# Altium PCB PCB1.PcbDoc (continued)
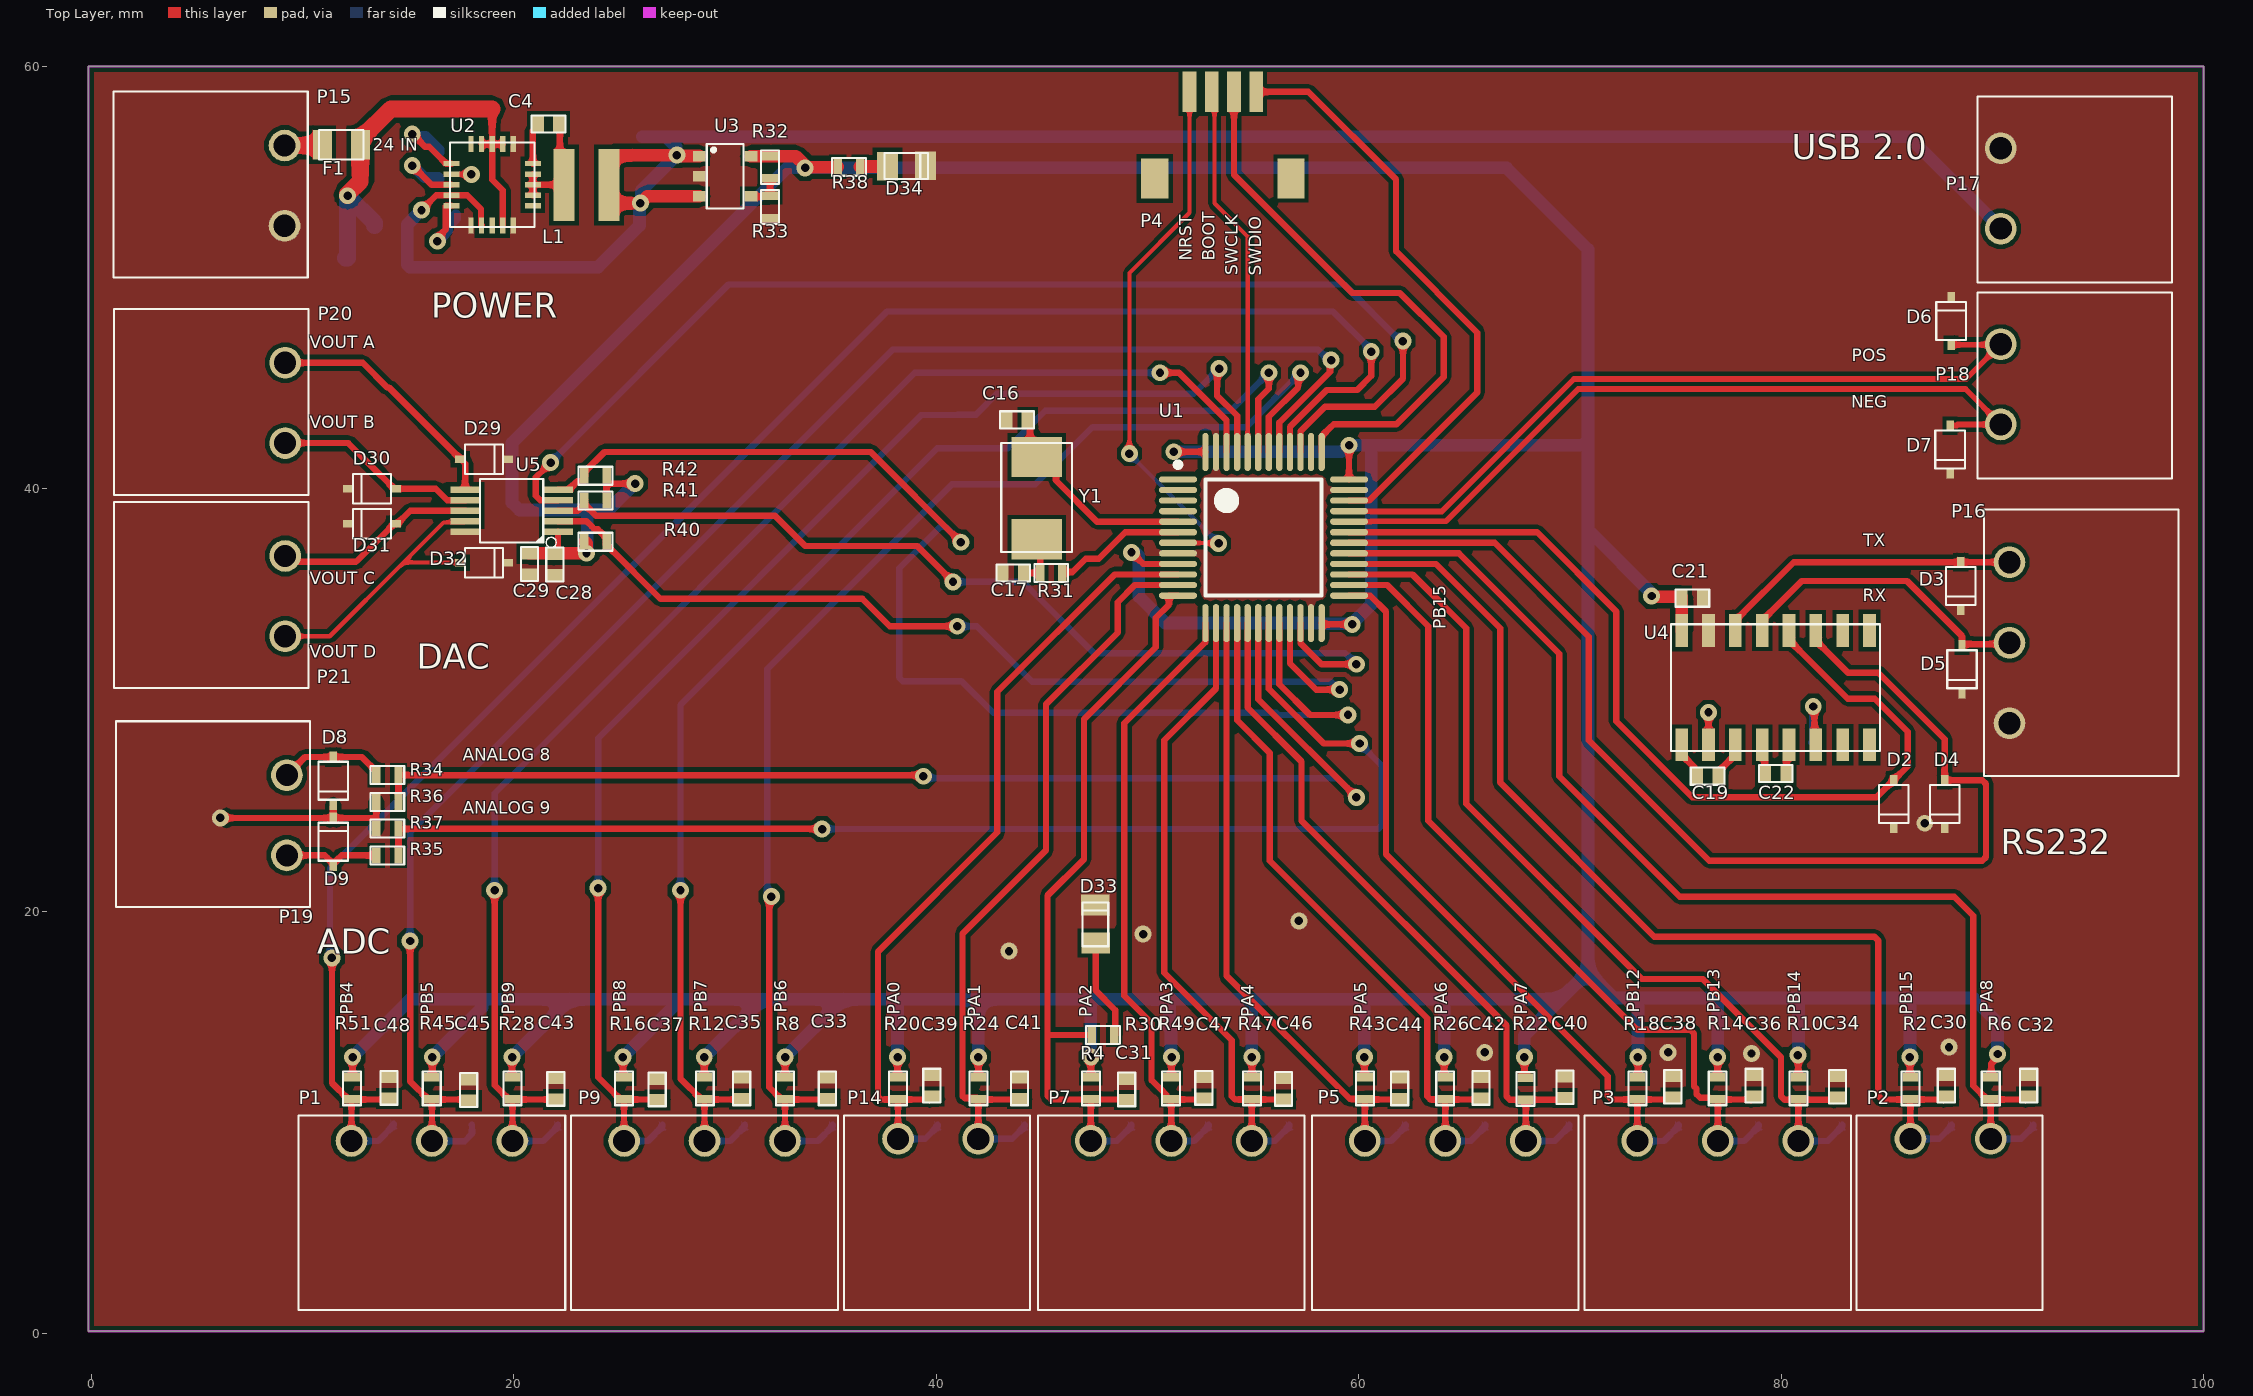
[diagram p0: Top Layer view]
## Components (designator, comment, footprint, x,y, rotation, side; value= is the part's Value field where it differs from the comment) (continued)
R47 "Resistor" "0603 RES"#2 54.525,12.425 r270 top value=10K
R48 "Resistor" "0603 RES"#1 54.525,10.825 r90 bottom value=10K
R49 "Resistor" "0603 RES"#2 50.7,12.425 r270 top value=10K
R50 "Resistor" "0603 RES"#1 50.7,10.825 r90 bottom value=10K
R51 "Resistor" "0603 RES"#2 11.925,12.425 r270 top value=10K
R52 "Resistor" "0603 RES"#1 11.925,10.825 r90 bottom value=10K
U1 "STM32F103C8T6" LQFP48_N 55.5,37.7 r0 top
U2 "MAX17634B" "20-PIN TQFN" 20.984,56.401 r180 top
U3 "ADP7118" "5-PIN TSOT" 29.14,56.327 r270 top
U4 "MAX3232" "16-PIN SOIC" 84.691,27.595 r90 top
U5 "MCP4728" "10-PIN MSOP" 21.403,37.467 r90 top
Y1 "XTAL" "ABM3 2PIN SMD" 43.083,42.169 r270 top value=8MHz

## Footprints (in the part's own frame and the unit in brackets; to place one, negate y for a bottom-side part, rotate by r counter-clockwise, add the part's x,y. Pads: shape width x height; smd on the part's side, far side on the other; paste and mask are expansions set on the pad)
"5-PIN TSOT" [mm] "5-PIN TSOT"
  rect 0.5x0.6 smd paste-2539.97 mask-2539.97: 1(0.575,-0.35) 2(1.525,-0.35) 3(2.475,-0.35) 4(2.475,2.1) 5(0.575,2.101)
  silkscreen extent 0,0 3.05,1.75, body extent 0.08,-0.53 2.98,2.27, height 0.85
"10-PIN MSOP" [mm] "10-PIN MSOP"
  rect 0.3x1.4 smd paste-2539.97 mask-2539.97: 1(0.5,-0.7) 2(1,-0.7) 3(1.5,-0.7) 4(2,-0.7) 5(2.5,-0.7) 6(2.5,3.7) 7(2,3.7) 8(1.5,3.7) 9(1,3.7) 10(0.5,3.7)
  silkscreen extent -0.24,-0.62 3,3, body extent 0,-0.95 3,3.95, height 1.15
"16-PIN SOIC" [mm] "16-Pin SOIC package general ICs"
  rect 1.55x0.6 smd paste-2539.97 mask-2539.97: 1(0.3,9.395) 2(0.3,8.125) 3(0.3,6.855) 4(0.3,5.585) 5(0.3,4.315) 6(0.3,3.045) 7(0.3,1.775) 8(0.3,0.505) 9(5.7,0.505) 10(5.7,1.775) 11(5.7,3.045) 12(5.7,4.315) 13(5.7,5.585) 14(5.7,6.855) 15(5.7,8.125) 16(5.7,9.395)
  silkscreen extent 0,0 6,9.9, body extent 0,0.2 6,9.7, height 1.26
"20-PIN TQFN" [mm] "4mm x 4mm QFN-20"
  rect 0.25x0.75 smd paste-2539.97 mask-2539.97: 1(1,0.075) 2(1.5,0.075) 3(2,0.075) 4(2.5,0.075) 5(3,0.075) 11(3,3.925) 12(2.5,3.925) 13(2,3.925) 14(1.5,3.925) 15(1,3.925)
  rect 0.75x0.25 smd paste-2539.97 mask-2539.97: 6(3.925,1) 7(3.925,1.5) 8(3.925,2) 9(3.925,2.5) 10(3.925,3) 16(0.075,3) 17(0.075,2.5) 18(0.075,2) 19(0.075,1.5) 20(0.075,1)
  silkscreen extent 0,0 4,4, body extent -0.01,-0.01 4.01,4.01, height 0.78
"0603 Cap"#1 [mm]
  rect 0.58x0.81 smd paste-2539.97 mask+0.102: 1(-0.509,-0.002) 2(0.509,0.002)
  silkscreen extent -0.8,-0.4 0.8,0.41, body extent -0.8,-0.4 0.8,0.4, height 0.45
"0603 Cap"#2 [mm]
  rect 0.58x0.81 smd paste-2539.97 mask-2539.97: 1(-0.509,-0.002) 2(0.509,0.002)
  silkscreen extent -0.8,-0.4 0.8,0.41, body extent -0.8,-0.4 0.8,0.4, height 0.45
"0603 RES"#1 [mm] "0603 resistor footprint"
  rect 0.4x0.75 smd paste-2539.97 mask+0.102: 1(0.275,0.425) 2(1.325,0.425)
  silkscreen extent 0,0 1.6,0.85, body extent 0,0 1.6,0.85, height 0.48
"0603 RES"#2 [mm] "0603 resistor footprint"
  rect 0.4x0.75 smd paste-2539.97 mask-2539.97: 1(0.275,0.425) 2(1.325,0.425)
  silkscreen extent 0,0 1.6,0.85, body extent 0,0 1.6,0.85, height 0.48
"0805 FUSE" [mm] "0805 Fuse"
  rect 0.9x1.4 smd paste-2539.97 mask-2539.97: 1(0.15,0.7) 2(1.95,0.7)
  silkscreen extent 0,0 2.1,1.4, body extent -0.1,-0.05 2.2,1.45, height 0.86
"0805 LED" [mm] "General 0805 Package LED"
  rect 1x1.35 smd paste-2539.97 mask-2539.97: 1(0.15,0.625) 2(1.95,0.65)
  silkscreen extent 0,0.03 2.07,1.25, body extent 0.02,0.19 2.08,1.1, height 0.85
"0805 TVS DIODE"#1 [mm] "SOD323"
  rect 0.5x0.35 smd paste-2539.97 mask+0.102: 1(-0.225,0.7) 2(2.025,0.7)
  silkscreen extent 0,0 1.8,1.4, body extent -0.4,0.03 2.2,1.38, height 1.1
"0805 TVS DIODE"#2 [mm] "SOD323"
  rect 0.5x0.35 smd paste-2539.97 mask-2539.97: 1(-0.225,0.7) 2(2.025,0.7)
  silkscreen extent 0,0 1.8,1.4, body extent -0.4,0.03 2.2,1.38, height 1.1
"0805 TVS DIODE"#3 [mm] "SOD323"
  rect 0.5x0.35 smd paste-2539.97 mask-2539.97: 1(-0.225,-0.7) 2(2.025,-0.7)
  silkscreen extent 0,-1.4 1.8,0, body extent -0.4,-1.38 2.2,-0.03, height 1.1
"ABM3 2PIN SMD" [mm]
  rect 1.9x2.4 smd paste-2539.97 mask-2539.97: 1(0.65,1.675) 2(4.55,1.675)
  silkscreen extent 0,0 5.15,3.35, body extent 0.05,0.08 5.05,3.27, height 1.3
LQFP48_N [mm]
  oval 1.8x0.3 smd paste-2539.97 mask-2539.97: 1(-4.05,2.75) 2(-4.05,2.25) 3(-4.05,1.75) 4(-4.05,1.25) 5(-4.05,0.75) 6(-4.05,0.25) 7(-4.05,-0.25) 8(-4.05,-0.75) 9(-4.05,-1.25) 10(-4.05,-1.75) 11(-4.05,-2.25) 12(-4.05,-2.75) 25(4.05,-2.75) 26(4.05,-2.25) 27(4.05,-1.75) 28(4.05,-1.25) 29(4.05,-0.75) 30(4.05,-0.25) 31(4.05,0.25) 32(4.05,0.75) 33(4.05,1.25) 34(4.05,1.75) 35(4.05,2.25) 36(4.05,2.75)
  oval 0.3x1.8 smd paste-2539.97 mask-2539.97: 13(-2.75,-4.05) 14(-2.25,-4.05) 15(-1.75,-4.05) 16(-1.25,-4.05) 17(-0.75,-4.05) 18(-0.25,-4.05) 19(0.25,-4.05) 20(0.75,-4.05) 21(1.25,-4.05) 22(1.75,-4.05) 23(2.25,-4.05) 24(2.75,-4.05) 37(2.75,4.05) 38(2.25,4.05) 39(1.75,4.05) 40(1.25,4.05) 41(0.75,4.05) 42(0.25,4.05) 43(-0.25,4.05) 44(-0.75,4.05) 45(-1.25,4.05) 46(-1.75,4.05) 47(-2.25,4.05) 48(-2.75,4.05)
  silkscreen extent -4.17,-2.75 2.75,3.57, body extent -4.5,-4.49 4.5,4.51, height 1.56
SM04B-SRSS-TB [mm] "SM04B-SRSS-TB"
  rect 0.65x1.9 smd paste-2539.97 mask-2539.97: 1(1.375,5.025) 2(2.425,5.025) 3(3.475,5.025) 4(4.525,5.025)
  rect 1.3x1.9 smd paste-2539.97 mask-2539.97: 5(-0.275,0.925) 6(6.175,0.925)
  body extent 0.03,0.38 6.02,5.32, height 3.25
"WR-TBL 322 2H" [mm] "322 series 2 pin header"
  round 1.5 / inner rect 0.25x0.7 / far side round 1.5 hole 1.05 paste-2539.97 mask-2539.97: 1(-1.9,3.4) 2(1.9,3.4)
  silkscreen extent -4.45,-4.7 4.35,4.5, body extent -4.41,-4.57 4.41,4.63, height 7.51
"WR-TBL 322 3H" [mm] "322 series WR-TBL package header 3 pin"
  round 1.5 / inner round 1.2 / far side round 1.5 hole 1.05 paste-2539.97 mask-2539.97: 1(-3.81,0) 2(0,0) 3(3.81,0)
  silkscreen extent -6.31,-1.2 6.31,8, body extent -6.31,-1.2 6.31,8, height 6.7
XAL6060 [mm] "XAL6060 power inductor"
  rect 1x3.4 smd paste-2539.97 mask-2539.97: 1(0.25,1.7) 2(2.37,1.7)
  body extent -0.82,-0.45 3.48,3.85, height 3

## Part data
C1 C2 C3 C4 C5 C6 C7 C8 C9 C10 C11 C12 C13 C14 C15 C16 C17 C18 C19 C20 C21 C22 C23 C28 C29 C30 C31 C32 C33 C34 C35 C36 C37 C38 C39 C40 C41 C42 C43 C44 C45 C46 C47 C48: library part "0603 Cap", "SMD 0603 (ceramic) capacitor", Capacitor Type=Ceramic, Case/Package=0805, Manufacturer=Murata, Manufacturer Part Number=GRM21BR71C225KA12L, Max Operating Temperature=125°C, Min Operating Temperature=-55°C, Package Shape=Rectangular, Package Style=SMTMeter, Rated DC Voltage (URdc)=16V, Supplier Part Number=81-GRM21BR71C225KA2L, Temperature Characteristics Code=X7R, Tolerance  (fill in as +-)=10%, Category="Ceramic Capacitors", ComponentLink1Description=https://datasheet.ciiva.com:443/pdfs/VipMasterIC/IC/MURE/MURE-S-A0004349797/MURE-S-A0004361718-1.pdf?src-supplier=IHS+Markit, ComponentLink1URL=https://datasheet.ciiva.com:443/pdfs/VipMasterIC/IC/MURE/MURE-S-A0004349797/MURE-S-A0004361718-1.pdf?src-supplier=IHS+Markit, ComponentLink2Description=https://datasheet.ciiva.com/7937/608985-7937701.pdf?src-supplier=Element14, ComponentLink2URL=https://datasheet.ciiva.com/7937/608985-7937701.pdf?src-supplier=Element14, Dielectric Material=Ceramic, Height=1.25mm, JESD-609 Code=e3, Length=2mm, Mounting Technology="Surface Mount", Multilayer=Yes, Packaging="Tape and Reel", Pins=2, Pricing="1=0,3, 10=0,163, 50=0,163, 100=0,098, 1000=0,07, 10000=0,054 (USD)", Reach SVHC Compliant=Yes, RoHS=Yes, RoHS Compliant=Yes, Stock=30148, Supplier=Mouser, Terminal Finish=Nickel, Termination=Wraparound, Tolerance (fill in as +-)=10%, Width=1.25mm
D1: library part "TVS Diode", "TVS Diode"
D2 D3 D4 D5 D6 D7 D8 D9 D10 D11 D12 D13 D14 D15 D16 D17 D18 D19 D20 D21 D22 D23 D24 D25 D26 D27 D28 D29 D30 D31 D32: library part "TVS Diode", "Schematic for TVS diode"
F1: "0805 Fuse"
L1: library part "Power Inductor", "XAL6060 preferred"
P1 P3 P5 P7 P9 P16: library part 322-3H, "322 Series 3 pin header"
P2 P14 P15 P17 P18 P19 P20 P21: library part 322-2H, "322 series 2 pin header"
P4: library part "4X HEADER"
R1 R2 R3 R4 R5 R6 R7 R8 R9 R10 R11 R12 R13 R14 R15 R16 R17 R18 R19 R20 R21 R22 R23 R24 R25 R26 R27 R28 R29 R30 R31 R32 R33 R34 R35 R36 R37 R38 R40 R41 R42 R43 R44 R45 R46 R47 R48 R49 R50 R51 R52: library part "0603 Res", "Can be used for SMD resistors"
U1: "STM32 ARM-based 32-bit MCU with 64 Kbytes Flash, 48-pin LQFP, Industrial Temperature", ComponentLink1Description="Manufacturer Link", ComponentLink1URL=www.st.com/stm32, ComponentLink2Description=Datasheet, ComponentLink2URL=http://www.st.com/stonline/products/literature/ds/13587.pdf, DatasheetVersion="rev6, Mar-2008", PackageDescription="48-Pin Low-Profile Quad Flat Pack, 7 x 7 mm Body, 0.5 mm Pitch (LQFP48)", PackageReference=LQFP48, PackageVersion=Mar-2008, Published=30-May-2008, Publisher="Altium Limited"
U2: library part "20-PIN TQFN", "20-PIN TSOT"
U3: library part "5-PIN TSOT", "Schematic for all 5 pin TSOT"
U4: library part "16-PIN SOIC", "16-Pin SOIC package IC schematic"
U5: library part "10-PIN MSOP"
Y1: "XTAL schematic. Footprint available for many packages"

## Via types
v1: diameter 0.8, hole 0.4, Top Layer to Bottom Layer, tented both sides, 72 vias

## Nets (pads, with @x,y where several pads share a name; then routed paths per layer and width w, separated by ;. In a path a pad name is that pad's centre, name@x,y a point inside that pad or via, vN(x,y) a via of type N, cw(c..) or ccw(c..) an arc to the next point about the centre after c; other vN are vias at no path point)
3V3: C8.1 C9.1 C10.1 C11.1 C12.1 C13.1 C14.2 C15.1 C21.1 C28.1 C29.1 R2.1 R4.1 R6.1 R8.1 R10.1 R12.1 R14.1 R16.1 R18.1 R20.1 R22.1 R24.1 R26.1 R28.1 R32.1 R38.1 R40.1 R41.1 R42.1 R43.1 R45.1 R47.1 R49.1 R51.1 U1.9 U1.24 U1.36 U1.48 U3.5 U4.16 U5.1 | length 325.4
  Top Layer w0.3: R51.1@12.323,12.15 12.375,12.202 v1(12.375,13.1) ; R45.1@16.133,12.15 16.15,12.167 v1(16.15,13.1) ; v1(19.925,13.1) 19.925,12.175 R28.1 ; C28.1 21.963,36.934 22.103,37.074 U5.1 ; R41.1 24.4,40.079 ; R42.1@24.4,40.375 24.4,40.079 ; v1(25.175,13.1) 25.175,12.2 R16.1 ; v1(25.75,40.25) 24.571,40.25 24.4,40.079 ; v1@29.025,13.225 v1(29.025,13.1) 29.025,12.175 R12.1 ; R8.1 v1(32.85,13.1) v1@32.85,13.2 ; v1@38.175,13.15 v1(38.175,13.1) 38.175,12.175 R20.1 ; R24.1 v1(42,13.1) v1@42,13.2 ; R4.1 v1(47.325,13.1) v1@47.325,13.125 ; v1(49.25,37) 49.8,36.45 U1.9 ; R49.1 51.137,12.163 51.137,13.087 v1(51.15,13.1) ; v1(51.252,41.759) 52.741,41.759 U1.48 ; R47.1 v1(54.95,13.1) v1@54.95,13.175 ; U1.24 58.25,33.637 58.296,33.591 v1(59.698,33.591) ; v1(59.548,42.066) 59.548,40.452 U1.36 ; v1@60.275,13.2 v1(60.275,13.1) 60.275,12.175 R43.1 ; v1@64.05,13.225 v1(64.05,13.1) 64.05,12.2 R26.1 ; v1@67.85,13.25 v1(67.85,13.1) 67.85,12.175 R22.1 ; R18.1 73.225,12.175 v1(73.225,13.1) v1@73.225,13.15 ; R14.1 v1(77,13.1) ; v1(80.8,13.2) 80.813,13.187 80.813,12.163 R10.1 ; v1@86.1,13.175 v1(86.1,13.1) 86.1,12.175 R2.1 ; R6.1 89.925,12.225 89.95,12.25 89.95,12.788 90.25,13.088 v1(90.25,13.25)
  Top Layer w0.6: C29.1 21.828,36.959 21.853,36.934 C28.1 ; C28.1@21.969,36.954 v1(23.45,36.954) 23.45,37.425 R40.1@23.375,37.5 ; U3.5 R32.1@32.14,55.752 ; R32.1@32.215,55.751 33.356,55.751 33.762,55.345 33.762,55.238 v1(33.8,55.2) 33.825,55.225 35.325,55.225 R38.1 ; v1(73.872,34.931) 73.91,34.893 75.281,34.893 75.291,34.883 C21.1 ; U4.16 C21.1@75.296,34.718
  Bottom Layer w0.6: v1(12.375,13.1) 15.118,15.843 18.5,15.843 ; v1(16.15,13.1) 18.5,15.45 18.5,15.843 ; v1(19.925,13.1) 22.668,15.843 ; v1@23.488,36.992 23.488,39 ; v1(25.175,13.1) 27.6,15.525 27.6,15.843 ; v1(25.75,40.25) 24.5,39 23.488,39 ; v1(29.025,13.1) 31.768,15.843 ; v1(32.85,13.1) 35.593,15.843 ; v1(38.175,13.1) 38.175,15.818 38.2,15.843 ; v1(42,13.1) 42,15.843 ; v1(47.325,13.1) 47.325,15.818 47.3,15.843 ; v1(49.25,37) 49.288,36.962 49.463,36.962 49.597,36.827 C15.1 49.597,34.903 50.85,33.65 58.25,33.65 58.279,33.621 v1@59.669,33.621 ; v1(51.15,13.1) 51.123,13.127 51.123,14.4 51.05,14.473 51.05,15.693 50.9,15.843 ; v1(51.252,41.759) 51.256,41.755 59.183,41.755 59.494,42.066 v1(59.548,42.066) 60.6,42.066 ; v1(54.95,13.1) 54.95,15.693 55.1,15.843 ; v1(59.698,33.591) 59.698,33.626 60.6,34.528 60.6,42.066 ; v1(60.275,13.1) 60.275,15.818 60.3,15.843 ; v1(64.05,13.1) 64.05,15.793 64.1,15.843 ; v1(67.85,13.1) 67.85,14.135 69.557,15.843 ; v1(73.225,13.1) 73.225,15.875 73.2,15.9 ; v1@73.997,34.931 70.857,38.071 ; v1(77,13.1) 77,15.8 77.1,15.9 ; v1(80.8,13.2) 80.825,13.225 80.825,15.875 80.8,15.9 ; v1(86.1,13.1) 86.1,15.8 86.2,15.9 ; v1(90.25,13.25) 90.25,14.75 89.1,15.9 86.2,15.9 ; 18.5,15.843 22.668,15.843 ; 22.668,15.843 27.6,15.843 ; 23.488,39 20.276,39 19.925,39.351 19.925,42.175 32.95,55.2 v1(33.8,55.2) 67,55.2 70.857,51.343 70.857,42.309 ; 27.6,15.843 31.768,15.843 ; 31.768,15.843 35.593,15.843 ; 35.593,15.843 38.2,15.843 ; 38.2,15.843 42,15.843 ; 42,15.843 47.3,15.843 ; 47.3,15.843 50.9,15.843 ; 50.9,15.843 55.1,15.843 ; 55.1,15.843 60.3,15.843 ; 60.3,15.843 64.1,15.843 ; 60.6,42.066 70.615,42.066 70.857,42.309 ; 64.1,15.843 69.557,15.843 ; 69.557,15.843 70.857,17.143 ; 70.857,17.143 72.1,15.9 73.2,15.9 ; 70.857,17.143 70.857,38.071 ; 70.857,38.071 70.857,42.309 ; 73.2,15.9 77.1,15.9 ; 77.1,15.9 80.8,15.9 ; 80.8,15.9 86.2,15.9
"5V OUT": C6.1 C7.1 C18.1 L1.1 P17.1 U2.9 U2.12 U3.1 U3.3 | length 100.4
  Top Layer w0.3: v1(15.64,53.202) 16.339,53.901 U2.9 17.801,53.901 18.459,53.242 18.459,52.501 U2.12
  Top Layer w0.6: U3.3 26.325,53.852 v1(26,53.527) 24.863,53.527 24.513,53.877 24.513,55.593 24.713,55.793 27.718,55.793 v1(27.725,55.8) 27.763,55.762 28.78,55.762 U3.1
  Bottom Layer w0.6: v1(15.64,53.202) 14.965,52.527 14.965,50.619 15.082,50.502 24.002,50.502 25.962,52.462 25.962,53.489 v1(26,53.527) 26.039,53.565 26.039,54.114 v1(27.725,55.8) ; C7.1 C6.1 C6.1@27.218,56.666 ; 27.687,56.198 C6.1@27.218,56.666 ; P17.1 86.061,56.666 C18.1 C6.1@27.218,56.666
"24V IN": C1.1 C2.2 D1.2 F1.2 U2.2 U2.3 U2.4 U2.14 | length 21.5
  Top Layer w0.3: U2.4 U2.3 ; 18.984,57.991 U2.3 ; U2.14 19.484,54.138 18.984,54.638 U2.3 ; U2.2 U2.3
  Top Layer w0.8: v1(12.14,53.877) 12.14,53.961 12.741,54.563 F1.2 12.741,56.548 14.184,57.991 18.984,57.991
  Bottom Layer w0.8: C2.2 12.135,50.923 12.14,50.928 v1(12.14,53.877) 13.415,52.602 D1.2
+24V: F1.1 P15.1 | length 1.9
  Top Layer w0.8: P15.1 10.773,56.257 F1.1@10.941,56.425
_BSY: R42.2 U1.20 U5.5 | length 59.5
  Top Layer w0.3: U5.5 22.653,39.967 22.703,40.017 22.703,40.051 23.014,40.362 23.337,40.362 R42.2@23.35,40.375 ; R42.2 23.35,40.8 24.3,41.75 36.9,41.75 v1(41.175,37.475) ; U1.20 56.25,30.75 57.7,29.3 v1(59.5,29.3)
  Bottom Layer w0.3: v1(41.175,37.475) 40.45,38.2 40.2,38.2 38.25,36.25 38.25,31.076 38.426,30.9 41.2,30.9 42.7,29.4 56.099,29.4 56.199,29.3 v1(59.5,29.3)
_LDAC: U1.39 U5.4 | length 56.6
  Top Layer w0.3: v1(21.75,41.25) 21.053,40.553 21.053,39.672 21.258,39.467 U5.4 ; U1.39 57.25,42.727 58.408,43.885 60.76,43.885 62.1,45.225 v1(62.1,47)
  Bottom Layer w0.3: v1(21.75,41.25) 30.175,49.675 59.308,49.675 61.983,47 v1(62.1,47)
ADC12_IN8: R34.1 R36.1 U1.18 | length 57.2
  Top Layer w0.3: R36.1 R34.1 39.349,26.451 v1(39.4,26.4) ; U1.18 55.25,30.05 v1(59.9,25.4)
  Bottom Layer w0.3: v1(39.4,26.4) 39.495,26.305 58.995,26.305 v1(59.9,25.4)
ADC12_IN9: R35.1 R37.1 U1.19 | length 60.7
  Top Layer w0.3: R35.1 R37.1 14.559,23.909 34.591,23.909 v1(34.6,23.9) ; U1.19 55.75,30.543 58.343,27.95 v1(60.05,27.95)
  Bottom Layer w0.3: v1(34.6,23.9) 60.924,23.9 61.1,24.076 61.1,26.9 v1(60.05,27.95)
ANALOG8: D8.2 P19.1 R34.2 | length 5
  Top Layer w0.3: P19.1 10.126,27.309 D8.2 12.817,27.309 13.5,26.626 R34.2
ANALOG9: D9.2 P19.2 R35.2 | length 4.6
  Top Layer w0.3: P19.2 11.054,22.651 D9.2@11.456,22.249 ; D9.2 D9.2@11.456,22.249 ; R35.2 11.858,22.651 D9.2@11.456,22.249
BOOT: P4.2 U1.44 | length 17.8
  Top Layer w0.2: P4.2 53.175,58.675 53.175,53.525 54.75,51.95 U1.44
C1+: C19.1 U4.1 | length 1.8
  Top Layer w0.3: U4.1 75.296,27.42 75.925,26.792 75.925,26.525 C19.1@76.025,26.425
C1-: C19.2 U4.3 | length 1.8
  Top Layer w0.3: C19.2@77.075,26.425 77.175,26.525 77.175,26.759 77.836,27.42 U4.3
C2+: C22.1 U4.4 | length 1.5
  Top Layer w0.3: U4.4 79.232,27.769 C22.1@79.232,26.497
C2-: C22.2 U4.5 | length 1.4
  Top Layer w0.3: C22.2@80.25,26.5 80.25,27.769 U4.5
GND: C1.2 C2.1 C3.2 C5.2 C6.2 C7.2 C8.2 C9.2 C10.2 C11.2 C12.2 C13.2 C14.1 C15.2 C16.2 C17.2 C18.2 C20.2 C21.2 C23.2 C28.2 C29.2 C30.2 C31.2 C32.2 C33.2 C34.2 C35.2 C36.2 C37.2 C38.2 C39.2 C40.2 C41.2 C42.2 C43.2 C44.2 C45.2 C46.2 C47.2 C48.2 D1.1 D2.1 D3.1 D4.1 D5.1 D6.1 D7.1 D8.1 D9.1 D10.1 D11.1 D12.1 D13.1 D14.1 D15.1 D16.1 D17.1 D18.1 D19.1 D20.1 D21.1 D22.1 D23.1 D24.1 D25.1 D26.1 D27.1 D28.1 D29.1 D30.1 D31.1 D32.1 D33.2 D34.2 P15.2 P16.3 P17.2 R1.2 R3.2 R5.2 R7.2 R9.2 R11.2 R13.2 R15.2 R17.2 R19.2 R21.2 R23.2 R25.2 R27.2 R29.2 R33.1 R36.2 R37.2 R44.2 R46.2 R48.2 R50.2 R52.2 U1.8 U1.23 U1.35 U1.47 U2.1 U2.7 U2.11 U2.15 U3.2 U4.15 U5.10 | length 10.3
  Top Layer w0.2: U2.7 17.065,54.895 17.991,54.895 v1(17.997,54.89)
  Top Layer w0.3: v1(6.122,24.424) D9.1 ; D8.1 D9.1 ; R37.2 13.5,24.551 ; R36.2 13.5,24.551 ; D9.1 13.373,24.424 13.5,24.551
  other v1: 78.6,13.275 65.975,13.325 74.65,13.325 87.95,13.575 43.45,18.125 49.8,18.925 57.175,19.55 86.8,24.175
HSE_IN/OUT: C16.1 U1.5 Y1.1 | length 10
  Top Layer w0.3: C16.1@44.45,43.3 44.45,41.828 Y1.1 44.831,41.519 45.681,40.669 45.681,40.387 47.617,38.45 U1.5
HSE_OUT/IN: R31.2 U1.6 | length 6.3
  Top Layer w0.3: R31.2 46.011,36.061 46.449,36.061 47.088,36.7 47.7,36.7 48.95,37.95 U1.6
LX: C4.1 L1.2 U2.17 U2.18 U2.19 | length 5.6
  Top Layer w0.3: U2.17 U2.18 ; U2.19 U2.18 ; C4.1@22.19,57.352 22.19,54.596 L1.2@22.385,54.401 ; L1.2@22.441,54.44 L1.2 L1.2@22.385,54.401 ; U2.18 L1.2@22.385,54.401
NetC3_1: C3.1 U2.8 | length 3.8
  Top Layer w0.3: v1(15.201,55.31) 16.11,54.401 U2.8
  Bottom Layer w0.5: v1(15.201,55.31) 15.215,55.31 15.781,54.743 16.43,54.743 16.47,54.703 C3.1
NetC4_2: C4.2 U2.20 | length 2
  Top Layer w0.3: U2.20 20.909,56.951 21.085,57.127 21.09,57.127 21.14,57.177 C4.2@21.14,57.352
NetC5_1: C5.1 U2.6 | length 4.1
  Top Layer w0.3: v1(15.201,56.8) 15.803,56.198 16.013,56.198 16.809,55.401 U2.6
  Bottom Layer w0.5: v1(15.201,56.8) 15.297,56.704 15.827,56.704 16.47,56.062 C5.1
NetC17_1: C17.1 R31.1 Y1.2 | length 2.5
  Top Layer w0.3: C17.1@44.1,36.025 R31.1 44.925,36.452 44.925,37.453 Y1.2
NetD33_1: D33.1 R30.2 | length 4.7
  Top Layer w0.3: D33.1 47.55,16.255 48.475,15.33 R30.2@48.475,14.15
NetD34_1: D34.1 R38.2 | length 1.3
  Top Layer w0.6: R38.2 36.413,55.263 37.687,55.263 D34.1
NetR1_1: R1.1 U2.10 | length 3.7
  Top Layer w0.3: v1(16.39,51.727) 16.39,51.889 16.784,52.284 16.784,53.376 16.809,53.401 U2.10
  Bottom Layer w0.5: v1(16.39,51.727) 16.885,52.222 16.885,52.436 17.254,52.805 R1.1
NRST: P4.1 U1.7 | length 26.2
  Top Layer w0.2: v1(49.15,41.675) 49.15,50.225 52,53.075 P4.1 ; U1.7 51.463,37.437 53.363,37.437 v1(53.375,37.425)
  Bottom Layer w0.2: v1(49.15,41.675) 49.15,41.662 53.375,37.437 v1(53.375,37.425)
PA0: C39.1 D19.2 P14.1 R20.2 R21.1 U1.10 | length 41.2
  Top Layer w0.3: P14.1 R20.2@38.198,11.098 ; C39.1@40.075,11.1 37.367,11.1 37.25,11.217 37.25,18.092 42.9,23.742 42.9,30.4 48.45,35.95 50.7,35.95 U1.10
  Bottom Layer w0.3: R21.1 38.198,11.098 P14.1 39.484,9.234 40.075,9.825 D19.2
PA1: C41.1 D21.2 P14.2 R24.2 R25.1 U1.11 | length 38.9
  Top Layer w0.3: P14.2 41.998,11.098 R24.2 ; C41.1@44.2,11.1 R24.2 ; U1.11 49.409,35.45 48.6,34.641 48.6,33.2 45.2,29.8 45.2,22.9 41.25,18.95 41.25,11.25 41.325,11.175 41.925,11.175 R24.2
  Bottom Layer w0.3: R25.1 41.998,11.098 P14.2 43.609,9.234 44.2,9.825 D21.2
PA2: C31.1 D11.2 P7.3 R4.2 R5.1 R30.1 U1.12 | length 38.8
  Top Layer w0.3: P7.3 R4.2@47.323,11.098 ; R30.1 45.276,14.15 ; C31.1@49.25,11.1 R4.2 45.451,11.1 45.276,11.276 45.276,14.15 ; U1.12 51.026,34.95 51.026,34.526 50.4,33.9 50.4,32.5 47,29.1 47,22.475 45.276,20.751 45.276,14.15
  Bottom Layer w0.3: R5.1 47.323,11.098 P7.3 48.559,9.134 49.25,9.825 D11.2
PA3: C47.1 D27.2 P7.2 R49.2 R50.1 U1.13 | length 33
  Top Layer w0.3: P7.2 51.133,11.092 R49.2 ; U1.13 52.75,32.75 48.9,28.9 48.9,16 50.2,14.7 50.2,12.005 50.605,11.6 50.625,11.6 50.9,11.325 50.9,11.15 50.95,11.1 R49.2 ; C47.1@52.9,11.1 R49.2
  Bottom Layer w0.3: R50.1 51.133,11.092 P7.2 52.209,9.134 52.9,9.825 D27.2
PA4: C46.1 D26.2 P7.1 R47.2 R48.1 U1.14 | length 33.6
  Top Layer w0.3: U1.14 53.25,30.55 50.8,28.1 50.8,17.1 54,13.9 54,11.25 54.15,11.1 R47.2 ; P7.1 54.943,11.093 R47.2 ; C46.1@56.725,11.1 R47.2
  Bottom Layer w0.3: R48.1 54.943,11.093 P7.1 56.034,9.134 56.725,9.825 D26.2
PA5: C44.1 D25.2 P5.3 R43.2 R44.1 U1.15 | length 33.8
  Top Layer w0.3: U1.15 53.75,32.9 53.75,16.95 59.575,11.125 60.275,11.125 R43.2 ; P5.3 60.298,11.098 R43.2 ; C44.1@62.225,11.1 R43.2
  Bottom Layer w0.3: R44.1 60.298,11.098 P5.3 61.534,9.134 62.225,9.825 D25.2
PA6: C42.1 D22.2 P5.2 R26.2 R27.1 U1.16 | length 35.1
  Top Layer w0.3: U1.16 54.25,32.9 54.25,32.197 54.25,29.05 55.8,27.5 55.8,22.4 63.25,14.95 63.25,11.25 63.4,11.1 R26.2 ; P5.2 64.108,11.092 R26.2 ; C42.1@66,11.1 R26.2
  Bottom Layer w0.3: R27.1 64.108,11.092 P5.2 65.309,9.134 66,9.825 D22.2
PA7: C40.1 D20.2 P5.1 R22.2 R23.1 U1.17 | length 36.8
  Top Layer w0.3: U1.17 54.75,31.99 54.75,29.65 57.3,27.1 57.3,24.3 67,14.6 67,11.25 67.162,11.088 69.963,11.088 C40.1@69.975,11.1 ; R22.2 67.918,11.057 P5.1
  Bottom Layer w0.3: R23.1 67.918,11.057 P5.1 69.284,9.134 69.975,9.825 D20.2
PA8: C32.1 D12.2 P2.2 R6.2 R7.1 U1.29 | length 57.3
  Top Layer w0.3: U1.29 64.75,36.95 69.5,32.2 69.5,26.4 75.2,20.7 88.2,20.7 89.1,19.8 89.1,11.75 89.7,11.15 89.875,11.15 R6.2 C32.1@91.95,11.1 ; P2.2 R6.2@89.923,11.098
  Bottom Layer w0.3: R7.1 89.923,11.098 P2.2 91.359,9.234 91.95,9.825 D12.2
PB4: C48.1 D28.2 P1.3 R51.2 R52.1 U1.40 | length 88
  Top Layer w0.3: v1(11.4,17.8) 11.4,11.875 12.175,11.1 R51.2@12.323,11.1 ; P1.3 R51.2@12.323,11.1 ; C48.1@14.3,11.1 R51.2 R51.2@12.323,11.1 ; U1.40 56.75,42.934 58.499,44.684 59.934,44.684 60.6,45.35 v1(60.6,46.5)
  Bottom Layer w0.3: v1(11.4,17.8) 11.304,17.896 11.304,22.029 37.675,48.4 58.783,48.4 60.6,46.583 v1(60.6,46.5) ; R52.1 12.323,11.1 P1.3 13.584,9.134 14.325,9.875 D28.2
PB5: C45.1 D24.2 P1.2 R45.2 R46.1 U1.41 | length 80.1
  Top Layer w0.3: v1(15.1,18.6) 15.1,11.95 15.95,11.1 R45.2 ; P1.2 16.133,11.1 C45.1@18.025,11.1 ; U1.41 56.25,43.141 58.653,45.545 58.653,46.053 v1(58.7,46.1)
  Bottom Layer w0.3: v1(15.1,18.6) 15.1,23.75 37.95,46.6 58.071,46.6 58.571,46.1 v1(58.7,46.1) ; P1.2@16.133,9.135 R46.1@16.133,11.092 ; P1.2@16.141,9.126 17.683,9.126 18.028,9.472 18.028,9.897 D24.2
PB6: C33.1 D13.2 P9.1 R8.2 R9.1 U1.42 | length 65.3
  Top Layer w0.3: v1(32.2,20.7) 32.2,20.565 32.1,20.465 32.1,11.675 32.675,11.1 R8.2 ; P9.1 32.848,11.098 R8.2 ; C33.1@35.1,11.1 R8.2 ; U1.42 55.75,43.418 57.135,44.803 57.135,45.385 v1(57.25,45.5)
  Bottom Layer w0.3: v1(32.2,20.7) 32.2,20.835 32,21.035 32,31.475 40.75,40.225 44.7,40.225 47.4,42.925 54.675,42.925 v1(57.25,45.5) ; R9.1@32.75,11 32.848,11.098 P9.1 34.409,9.134 35.1,9.825 D13.2
PB7: C35.1 D15.2 P9.2 R12.2 R13.1 U1.43 | length 65.7
  Top Layer w0.3: v1(27.9,21) 27.9,12.075 28.875,11.1 R12.2 ; P9.2 29.038,11.088 R12.2 ; C35.1@30.95,11.1 R12.2 ; U1.43 55.25,44.25 55.75,44.75 v1(55.75,45.5)
  Bottom Layer w0.3: v1(27.9,21) 27.9,29.775 40.05,41.925 43.4,41.925 45.175,43.7 53.95,43.7 v1(55.75,45.5) ; R13.1@29.002,11.125 29.038,11.088 P9.2 30.259,9.134 30.95,9.825 D15.2
PB8: C37.1 D17.2 P9.3 R16.2 R17.1 U1.45 | length 66.7
  Top Layer w0.3: v1(24,21.1) 24,12.15 25.05,11.1 R16.2 ; P9.3 25.228,11.097 R16.2 ; C37.1@27.05,11.1 R16.2 ; v1(53.4,45.7) 53.304,45.604 53.304,44.869 53.3,44.865 53.3,44.407 54.25,43.457 U1.45
  Bottom Layer w0.3: v1(24,21.1) 24,28.2 39.3,43.5 41.014,43.5 41.027,43.513 41.888,43.513 42.875,44.5 52.2,44.5 v1(53.4,45.7) ; R17.1 25.228,11.097 P9.3 26.359,9.134 27.05,9.825 D17.2
PB9: C43.1 D23.2 P1.1 R28.2 R29.1 U1.46 | length 68.9
  Top Layer w0.3: v1(19.1,21) 19.1,11.775 19.775,11.1 R28.2@19.943,11.1 ; P1.1 R28.2@19.943,11.1 ; C43.1@22.1,11.1 R28.2 R28.2@19.943,11.1 ; v1(50.6,45.5) 51.5,45.5 53.75,43.25 U1.46
  Bottom Layer w0.3: v1(19.1,21) 19.1,25.6 38.45,44.95 38.993,45.493 40.418,45.493 40.425,45.5 v1(50.6,45.5) ; R29.1@19.937,11.1 19.943,11.093 P1.1 21.409,9.134 22.1,9.825 D23.2
PB12: C38.1 D18.2 P3.3 R18.2 R19.1 U1.25 | length 39
  Top Layer w0.3: U1.25 60.55,34.95 61.3,34.2 61.3,22.7 71.8,12.2 71.8,11.276 71.976,11.1 73.197,11.1 R18.2@73.198,11.098 ; P3.3 R18.2@73.198,11.098 ; C38.1@75.15,11.1 R18.2 R18.2@73.198,11.098
  Bottom Layer w0.3: R19.1 73.198,11.098 P3.3 74.459,9.134 75.15,9.825 D18.2
PB13: C36.1 D16.2 P3.2 R14.2 R15.1 U1.26 | length 42.7
  Top Layer w0.3: U1.26 61.35,35.45 63.3,33.5 63.3,24.3 73.2,14.4 75.699,14.4 75.875,14.224 75.875,11.725 76,11.6 76,11.351 76.176,11.175 76.599,11.175 76.624,11.15 76.95,11.15 77.008,11.092 P3.2 ; R14.2@77.008,11.1 C36.1@78.95,11.1
  Bottom Layer w0.3: R15.1 77.008,11.092 P3.2 78.259,9.134 78.95,9.825 D16.2
PB14: C34.1 D14.2 P3.1 R10.2 R11.1 U1.27 | length 45.9
  Top Layer w0.3: U1.27 62.55,35.95 65.1,33.4 65.1,25.1 73.4,16.8 76.3,16.8 80,13.1 80,11.25 80.162,11.088 R10.2@80.818,11.088 ; P3.1 R10.2@80.818,11.088 ; C34.1@82.875,11.075 82.862,11.088 R10.2@80.818,11.088
  Bottom Layer w0.3: R11.1 80.818,11.093 P3.1 82.209,9.134 82.9,9.825 D14.2
PB15: C30.1 D10.2 P2.1 R2.2 R3.1 U1.28 | length 53.6
  Top Layer w0.3: U1.28 63.65,36.45 66.7,33.4 66.7,26.1 74,18.8 84.424,18.8 84.6,18.624 84.6,11.276 84.776,11.1 R2.2 ; P2.1 86.123,11.098 R2.2 ; C30.1@88.075,11.1 R2.2
  Bottom Layer w0.3: R3.1 86.123,11.098 P2.1 87.484,9.234 88.075,9.825 D10.2
RS232_IN1: D5.2 P16.2 U4.13 | length 14.5
  Top Layer w0.3: U4.13 79.106,33.77 80.978,35.642 85.964,35.642 88.566,33.04 D5.2 88.633,32.654 90.746,32.654 P16.2
RS232_OUT1: D3.2 P16.1 U4.14 | length 14.6
  Top Layer w0.3: U4.14 77.836,33.77 80.597,36.531 D3.2 P16.1
RX1: D2.2 U1.31 U4.12 | length 44.8
  Top Layer w0.3: U1.31 68.45,37.95 72.2,34.2 72.2,29 75.8,25.4 78.889,25.4 84.521,25.4 85.229,26.108 85.304,26.108 D2.2@85.329,26.133 ; U4.12 80.376,32.82 80.576,32.62 80.604,32.62 83.154,30.071 84.429,30.071 86,28.5 86,26.879 D2.2
SCL: R40.2 U1.21 U5.2 | length 45.3
  Top Layer w0.3: U5.2 23.451,38.467 23.693,38.225 23.695,38.225 23.82,38.1 23.975,38.1 24.35,37.725 24.35,37.375 24.45,37.275 24.475,37.275 26.95,34.8 36.512,34.8 37.812,33.5 v1(41,33.5) ; U1.21 56.75,31.75 58,30.5 v1(59.1,30.5)
  Bottom Layer w0.3: v1(41,33.5) 41.925,33.5 44.55,30.875 58.674,30.875 59.049,30.5 v1(59.1,30.5)
SDA: R41.2 U1.22 U5.3 | length 45.3
  Top Layer w0.3: U5.3 23.042,38.967 R41.2@23.35,39.275 ; R41.2 R41.2@23.35,39.275 ; v1(40.8,35.6) 39.1,37.3 33.8,37.3 32.375,38.725 24.055,38.725 23.9,38.725 R41.2@23.35,39.275 ; U1.22 57.25,32.693 58.243,31.7 v1(59.9,31.7)
  Bottom Layer w0.3: v1(40.8,35.6) 44.1,35.6 47.475,32.225 59.375,32.225 v1(59.9,31.7)
SENSE/ADJ: R32.2 R33.2 U3.4 | length 1.7
  Top Layer w0.3: U3.4 31.253,53.84 R33.2@32.127,53.84 ; R33.2 R32.2
SWCLK: P4.3 U1.37 | length 26.6
  Top Layer w0.3: P4.3 54.1,54.875 59.7,49.275 61.95,49.275 64.025,47.2 64.025,45.3 61.795,43.07 58.82,43.07 58.67,42.92 58.25,42.5 U1.37
SWDIO: P4.4 U1.34 | length 28.2
  Top Layer w0.3: P4.4 57.625,58.8 61.775,54.65 61.775,51.25 65.625,47.4 65.625,44.568 60.507,39.45 U1.34
TX1: D4.2 U1.30 U4.11 | length 55.3
  Top Layer w0.3: U1.30 66.45,37.45 70.9,33 70.9,28.1 76.6,22.4 89.524,22.4 89.7,22.576 89.7,26.033 89.524,26.208 D4.2 87.742,28.158 84.6,31.3 83.167,31.3 81.796,32.67 81.646,32.82 U4.11
USBD_N: D7.2 P18.1 U1.32 | length 36.6
  Top Layer w0.271: U1.32 60.585,38.45 60.6,38.465 64.131,38.465 70.395,44.729 88.727,44.729 P18.1 88.363,43.053 88.31,43 D7.2
USBD_P: D6.2 P18.2 U1.33 | length 36.5
  Top Layer w0.271: U1.33 60.585,38.95 60.6,38.935 63.935,38.935 70.2,45.2 88.75,45.2 P18.2@90.381,46.831 ; D6.2 P18.2@90.381,46.831 ; P18.2 P18.2@90.381,46.831
V+: C20.1 U4.2 | length 2.9
  Top Layer w0.3: U4.2 v1(76.566,29.419)
  Bottom Layer w0.3: v1(76.566,29.419) 76.591,29.394 76.591,28.127 C20.1
V-: C23.1 U4.6 | length 3.6
  Top Layer w0.3: v1(81.525,29.7) 81.586,29.639 81.586,27.956 U4.6
  Bottom Layer w0.3: C23.1 81.479,28.044 81.479,29.654 v1(81.525,29.7)
VOUTA: D29.2 P20.1 U5.6 | length 11.8
  Top Layer w0.3: P20.1 12.851,45.971 14.022,44.8 14.1,44.8 17.366,41.534 17.366,41.429 17.391,41.404 D29.2 ; D29.2@17.481,41.419 17.526,41.419 17.566,41.379 17.566,41.334 17.703,41.197 U5.6
VOUTB: D30.2 P20.2 U5.7 | length 9.6
  Top Layer w0.3: P20.2 12.178,42.171 13.199,41.15 ; 13.2,41.15 14.343,40.007 16.318,40.007 16.858,39.467 U5.7
VOUTC: D31.2 P21.1 U5.8 | length 9.6
  Top Layer w0.3: P21.1 9.453,36.827 9.734,36.545 12.532,36.545 12.618,36.631 14.343,38.356 D31.2 14.493,38.356 15.104,38.967 U5.8
VOUTD: D32.2 P21.2 U5.9 | length 13.5
  Top Layer w0.2: P21.2 11.299,33.027 14.785,36.513 ; D32.2 14.785,36.513 ; U5.9 17.653,38.417 16.689,38.417 14.785,36.513
pads on no net: P4.5 P4.6 U1.1 U1.2 U1.3 U1.4 U1.38 U2.5 U2.13 U2.16 U4.7 U4.8 U4.9 U4.10

## Polygon pours and split planes (outlines as drawn)
GND on Top Layer "GND_L01_P002" (solid, pour order 2): -0.127,0.127 -0.127,60 100,60 100,0.127
GND on Bottom Layer "GND_L02_P003" (solid, remove dead copper, pour order 3): -0.127,0.127 -0.127,60 100,60 100,0.127

## Keep-outs
Keep-Out Layer:
  the board outline again, w0.1

## Silkscreen, mask and mechanical layers (free items; w line width, h text height)
Top Overlay:
  text "24 IN" at 13.324,55.793 h1
  text "USB 2.0" at 80.5,55.2 h2
  text "NRST" at 52.307,50.799 h1 r90
  text "BOOT" at 53.4,50.799 h1 r90
  text "SWCLK" at 54.5,50.125 h1 r90
  text "SWDIO" at 55.6,50.102 h1 r90
  text "POWER" at 16.1,47.7 h2
  text "VOUT A" at 10.349,46.443 h1
  text "POS" at 83.35,45.824 h1
  text "NEG" at 83.328,43.624 h1
  text "VOUT B" at 10.349,42.668 h1
  text "TX" at 83.9,37.086 h1
  text "VOUT C" at 10.349,35.268 h1
  text "RX" at 83.868,34.461 h1
  text "PB15" at 64.333,33.351 h1 r90
  text "VOUT D" at 10.349,31.793 h1
  text "DAC" at 15.425,31.075 h2
  text "ANALOG 8" at 17.599,26.918 h1
  text "ANALOG 9" at 17.58,24.414 h1
  text "RS232" at 90.4,22.3 h2
  text "ADC" at 10.7,17.6 h2
  text "PB8" at 25.525,15.2 h1 r90
  text "PB7" at 29.351,15.2 h1 r90
  text "PB6" at 33.15,15.2 h1 r90
  text "PB12" at 73.506,15.2 h1 r90
  text "PB13" at 77.301,15.2 h1 r90
  text "PA8" at 90.225,15.2 h1 r90
  text "PB4" at 12.598,15.1 h1 r90
  text "PB5" at 16.419,15.1 h1 r90
  text "PB9" at 20.251,15.1 h1 r90
  text "PA0" at 38.501,15.1 h1 r90
  text "PA3" at 51.426,15.1 h1 r90
  text "PA5" at 60.594,15.1 h1 r90
  text "PA6" at 64.4,15.1 h1 r90
  text "PA7" at 68.201,15.1 h1 r90
  text "PB14" at 81.125,15.1 h1 r90
  text "PB15" at 86.42,15.1 h1 r90
  text "PA1" at 42.301,15 h1 r90
  text "PA2" at 47.575,15 h1 r90
  text "PA4" at 55.25,15 h1 r90

## Dimensions
0,0 to -0.127,60 on Top Mechanical
0,0 to 100,0 on Top Mechanical